# KiCad board bldc_controller.kicad_pcb (continued)
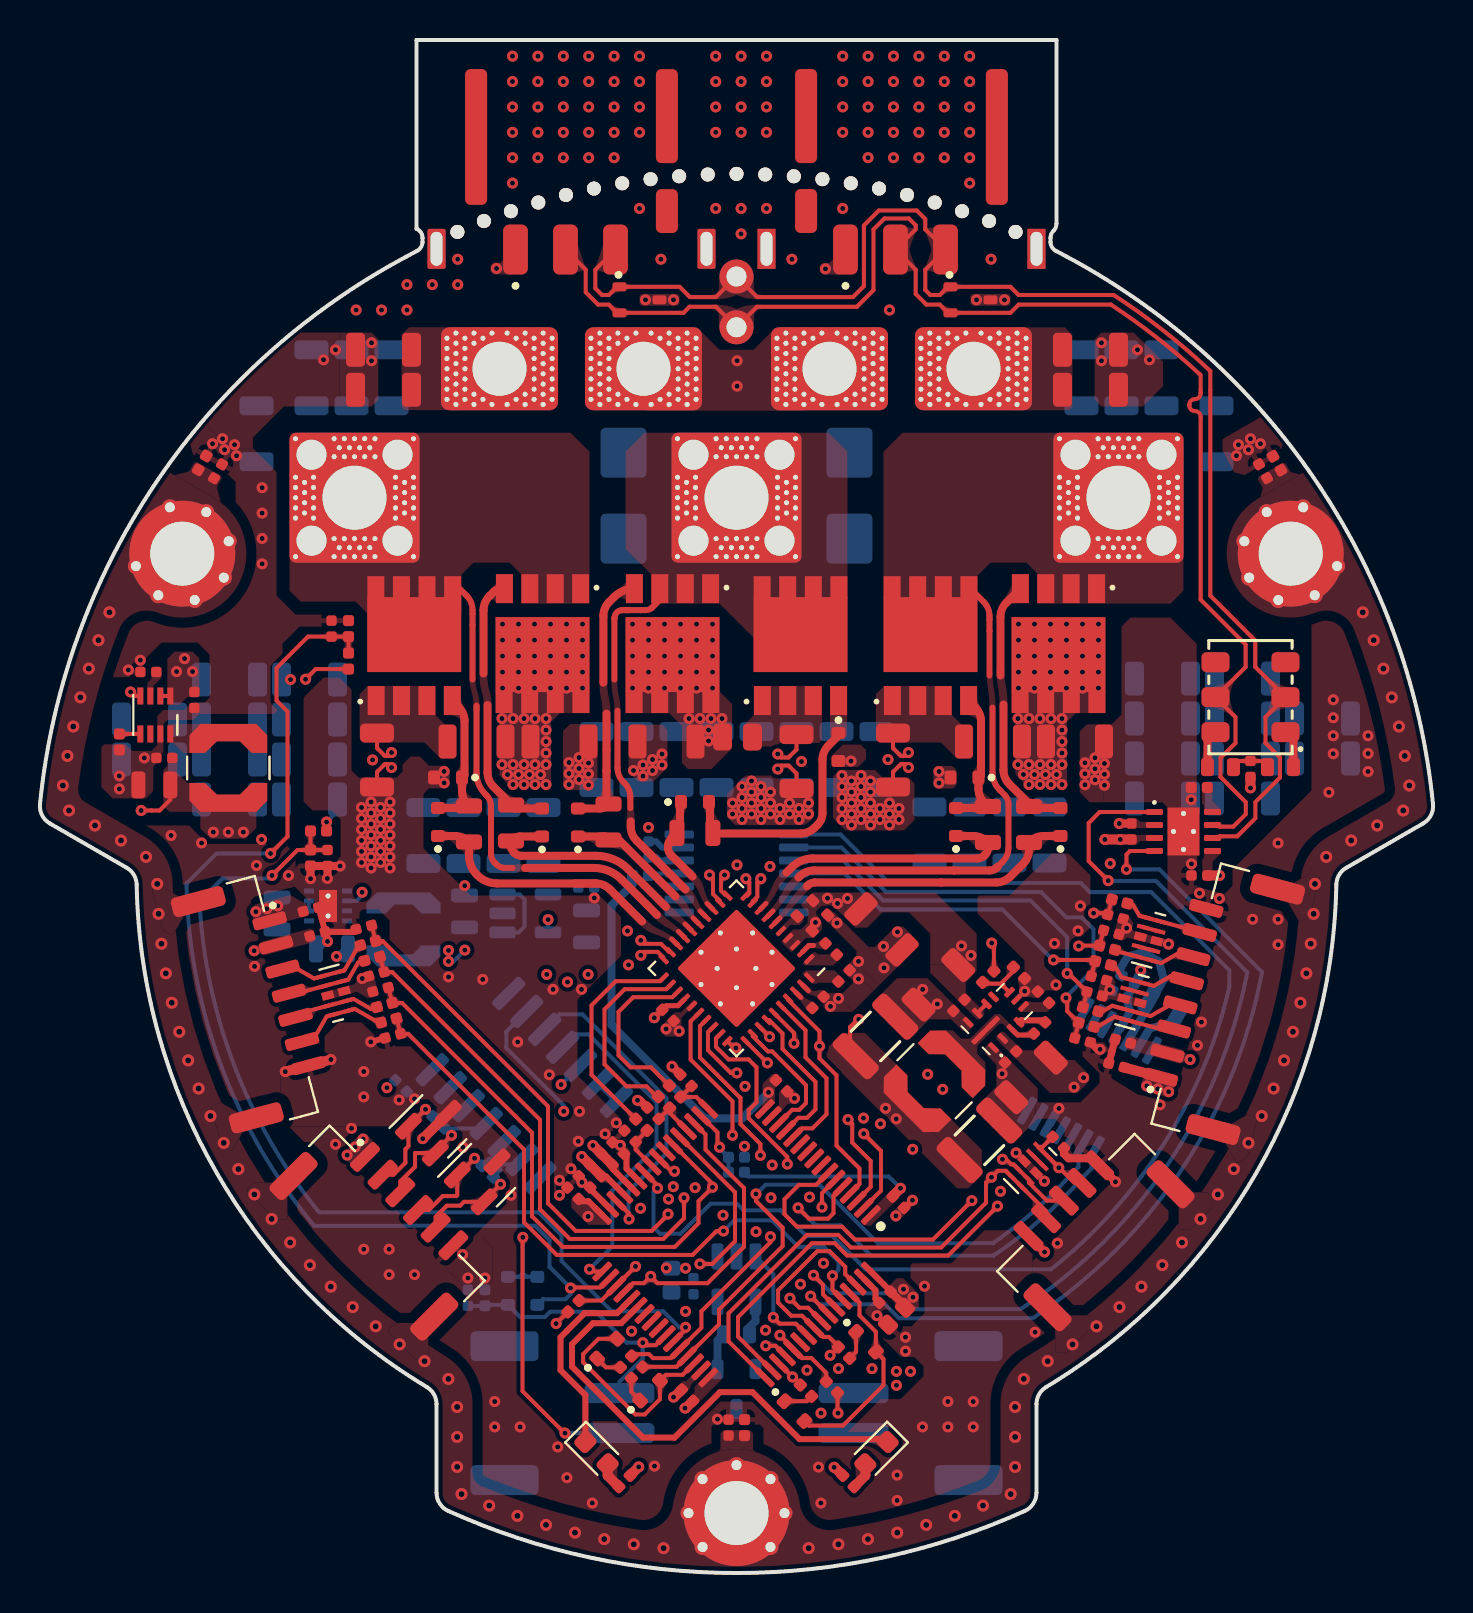
[diagram p0: board, top side]
## Routing (per net, layer and track width the routed paths; a pad name or vN(x,y) marks a point on that pad's centre or on a via; arc(x,y) is an arc through that point) (continued)
/Project Architecture/Motor Control - Top Level/DVDD: length 0.4
  Top w0.25: 37.79,29.06 38.05,28.8
GND: length 35
  Top w0.2: NT12.2 16.85,40.08 R17.1 ; R11.1 42.65,40.08 NT6.2 ; R14.1 37.83,40 NT9.2 ; 14.57,47.66 C94.2 ; U8.25 32.6,28.37
  Top w0.25: 38.14,29.41 38.42,29.13
  Top w0.3: C10.2 27.51,19.22 28.52,18.21 ; C7.2 43.25,18.27 v1(43.63,18.65) ; C108.2 14.42,31.49 ; C108.2 C106.2 ; C108.2 15.68,32.07 C116.2 ; U1.63 41.78,14.15 41.78,13.71 C9.2 ; 29.93,19.63 29.33,20.23 29.33,20.85 29.2,20.98 ; C110.2 16.54,26.58 v1(16.54,26.57)
  Top w0.35: C107.2 53.76,26.71 53.6,26.08 53.6,26.08 53.44,25.5 ; v1(53.01,26.2) 52.87,26.2 C117.2
  Top w0.4: 53.45,25.49 C105.2 ; C12.2 30,23.65 v1(29.88,23.65) ; v1(15.01,35.37) 15,35.38 C96.2 ; C96.2 14.38,34.76 v1(14.37,34.75) ; C96.2 R25.2 v1(13.53,34.74) ; v1(53.97,37.5) C102.2 ; v1(31.6,25.35) C11.2 ; C118.2 51.2,20.98 51.43,20.75 52.61,20.75 J13.5 53.78,19.59 v1(53.78,19.58)
  Top w0.5: v1(14.55,25.69) 13.43,25.39 J7.7 13.41,25.39 v1(12.26,25.09) ; D25.3 19.14,21.73 v1(19.14,21.73) ; C119.2 v1(60.53,39.28) ; v1(31.68,8.8) 31.71,8.8 C6.2
  Bottom w0.2: R19.2 v1(35.23,21.35)
  Bottom w0.3: U9.13 31.11,36.3 30.81,36.6 C97.2 ; U11.6 U11.7
  Bottom w0.4: v1(50.95,23.25) 50.52,22.49 U10.5 ; 55.04,26.48 55.48,27.24 56.63,27.55 ; 56.72,27.64 C99.2
  Bottom w0.5: C78.2 14.18,31.6 v1(14.38,31.6)
  vias: v1(3.97,39.88) v1(3.97,39.23) v1(4.42,45.18) v1(5.02,45.67) v1(5.22,40.78) v1(6.55,36.9) v1(8.08,36.53) v1(8.63,56.5) v1(9.13,56.75) v1(9.23,56.2) v1(9.73,56.45) v1(9.83,55.9) v1(10.73,30.35) v1(10.83,35.4) v1(11.11,54.3) v1(11.11,53.03) v1(11.11,51.76) v1(11.11,50.49) v1(11.08,36.7) v1(12.43,34.9) v1(12.53,44.7) v1(14.18,60.7) v1(14.78,61.2) v1(14.78,21.45) v1(15.58,22.25) v1(15.81,63.19) v1(16.08,38.3) v1(16.08,37.75) v1(16.08,37.2) v1(16.08,36.65) v1(16.08,36.1) v1(16.08,35.55) v1(16.11,29.75) v1(16.19,25.09) v1(16.19,23.82) v1(16.19,16.2) v1(16.55,38.58) v1(16.55,38.03) v1(16.55,37.48) v1(16.55,36.93) v1(16.55,36.38) v1(16.55,35.83) v1(16.55,35.28) v1(16.58,61.55) v1(16.58,60.65) v1(16.63,40.68) v1(17.03,38.3) v1(17.03,37.75) v1(17.03,37.2) v1(17.03,36.65) v1(17.03,36.1) v1(17.03,35.55) v1(17.08,63.19) v1(17.46,16.2) v1(17.46,14.93) v1(17.5,38.58) v1(17.5,38.03) v1(17.5,37.48) v1(17.5,36.93) v1(17.5,36.38) v1(17.5,35.83) v1(17.5,35.28) v1(17.96,23.67) v1(18.35,64.46) v1(18.35,63.19) v1(18.73,23.73) v1(18.73,14.93) v1(19.62,64.46) v1(20.21,40.11) v1(20.21,39.53) v1(20.43,29.83) v1(20.89,65.73) v1(20.89,64.46) v1(21.15,21.3) v1(21.13,15.93) v1(21.24,34.39) v1(21.4,14.76) v1(22.14,29.7) v1(22.25,14.76) v1(22.74,8.58) v1(22.74,7.31) v1(22.83,65.27) v1(23.55,18.9) v1(23.63,75.89) v1(23.63,74.62) v1(23.63,73.35) v1(23.63,72.08) v1(23.63,70.81) v1(23.63,69.54) v1(23.89,26.57) v1(24.01,7.31) v1(24.9,75.89) v1(24.9,74.62) v1(24.9,73.35) v1(24.9,72.08) v1(24.9,70.81) v1(25.47,24.93) v1(25.65,29.2) v1(25.89,6.31) v1(25.98,19.65) v1(25.98,18.9) v1(26.17,75.89) v1(26.17,74.62) v1(26.17,73.35) v1(26.17,72.08) v1(26.17,70.81) v1(26.35,4.77) v1(26.45,40.55) v1(26.45,40) v1(26.45,39.45) v1(26.55,20.23) v1(26.95,40.8) v1(26.95,40.25) v1(26.95,39.7) v1(26.92,21.6) v1(26.98,23.1) v1(27.08,29.2) v1(27.1,19.55) v1(27.44,75.89) v1(27.44,74.62) v1(27.44,73.35) v1(27.44,72.08) v1(27.44,70.81) v1(27.43,40.53) v1(27.43,39.98) v1(27.43,39.43) v1(27.62,3.5) v1(27.72,33.78) v1(28.26,21.97) v1(28.71,75.89) v1(28.71,74.62) v1(28.71,73.35) v1(28.71,72.08) v1(28.71,70.81) v1(28.82,22.52) v1(29.02,21.4) v1(29.38,32.13) v1(29.43,30.43) v1(29.58,12.1) v1(29.68,40.15) v1(29.98,75.89) v1(29.98,74.62) v1(29.98,73.35) v1(29.98,72.08) v1(29.98,68.27) v1(30.03,18.25) v1(30.15,40.43) v1(30.15,39.88) v1(30.28,63.7) v1(30.43,37.3) v1(30.63,40.7) v1(30.63,40.15) v1(30.73,5.35) v1(31.05,65.73) v1(31.1,40.98) v1(31.1,40.43) v1(31.31,27.22) v1(31.32,15.26) v1(31.43,18.71) v1(31.67,19.33) v1(31.68,63.7) v1(31.96,27.11) v1(32.28,15.25) v1(32.76,19.28) v1(33.79,75.89) v1(33.79,74.62) v1(33.79,73.35) v1(33.79,72.08) v1(33.79,68.27) v1(33.88,7.7) v1(34.15,17.9) v1(34.63,38.53) v1(34.63,37.98) v1(34.86,60.65) v1(34.86,59.38) v1(34.85,35.43) v1(35.06,75.89) v1(35.06,74.62) v1(35.06,73.35) v1(35.06,72.08) v1(35.06,68.27) v1(35.06,67) v1(35.1,39.35) v1(35.1,38.8) v1(35.1,38.25) v1(35.1,37.7) v1(35.25,24.35) v1(35.58,39.63) v1(35.58,39.08) v1(35.58,38.53) v1(35.58,37.98) v1(35.8,17.08) v1(36.05,39.35) v1(36.05,38.8) v1(36.05,38.25) v1(36.05,37.7) v1(36.28,12.15) v1(36.33,75.89) v1(36.33,74.62) v1(36.33,73.35) v1(36.33,72.08) v1(36.33,68.27) v1(36.53,39.08) v1(36.53,38.53) v1(36.53,37.98) v1(36.5,35.35) v1(36.55,18.78) v1(36.61,20.41) v1(37,38.25) v1(37,37.7) v1(37.48,38.53) v1(37.48,37.98) v1(37.6,65.73) v1(37.73,23.75) v1(37.95,38.25) v1(37.95,37.7) v1(38.03,14.45) v1(38.08,40.6) v1(38.35,10.15) v1(38.43,38.53) v1(38.43,37.98) v1(38.48,18.81) v1(38.93,5.3) v1(39.05,8) v1(39.05,3.5) v1(39.18,15.5) v1(39.28,65.25) v1(39.53,28.35) v1(39.85,32.53) v1(39.93,28.75) v1(39.93,10.23) v1(40.14,75.89) v1(40.14,74.62) v1(40.14,73.35) v1(40.14,72.08) v1(40.14,68.27) v1(40.1,39.9) v1(40.1,39.35) v1(40.1,38.8) v1(40.1,38.25) v1(40.1,37.7) v1(40.55,40.63) v1(40.58,39.63) v1(40.58,39.08) v1(40.58,38.53) v1(40.58,37.98) v1(40.58,37.43) v1(40.93,30.6) v1(40.93,29.73) v1(41.05,39.9) v1(41.05,39.35) v1(41.05,38.8) v1(41.05,38.25) v1(41.05,37.7) v1(41.18,22.76) v1(41.41,75.89) v1(41.41,74.62) v1(41.41,73.35) v1(41.41,72.08) v1(41.41,70.81) v1(41.53,39.63) v1(41.53,39.08) v1(41.53,38.53) v1(41.53,37.98) v1(41.53,37.43) v1(41.6,10.23) v1(41.85,12.88) v1(42,38.25) v1(42,37.7) v1(42.03,22.48) v1(42.18,31.35) v1(42.2,30.28) v1(42.4,40.7) v1(42.48,63.19) v1(42.48,38.53) v1(42.48,37.98) v1(42.48,37.43) v1(42.68,75.89) v1(42.68,74.62) v1(42.68,73.35) v1(42.68,72.08) v1(42.68,70.81) v1(42.88,32.08) v1(42.8,17.87) v1(42.86,4.9) v1(42.86,3.63) v1(42.95,38.25) v1(42.95,37.7) v1(43.28,11.8) v1(43.28,11.1) v1(43.64,21.2) v1(43.95,75.89) v1(43.95,74.62) v1(43.95,73.35) v1(43.95,72.08) v1(43.95,70.81) v1(44.14,29.2) v1(44.13,7.31) v1(44.23,14.35) v1(44.39,24.95) v1(44.87,28.47) v1(44.95,40.1) v1(44.95,39.52) v1(45.14,24.2) v1(45.22,75.89) v1(45.22,74.62) v1(45.22,73.35) v1(45.22,72.08) v1(45.22,70.81) v1(45.4,8.58) v1(45.4,7.31) v1(46.49,75.89) v1(46.49,74.62) v1(46.49,73.35) v1(46.49,72.08) v1(46.49,70.81) v1(46.49,69.54) v1(46.67,8.58) v1(46.67,7.31) v1(46.83,63.7) v1(47.56,65.73) v1(48.03,19.1) v1(48.11,24.98) v1(48.23,63.7) v1(48.81,21.02) v1(49.24,29.11) v1(49.76,12.05) v1(50.22,19.61) v1(50.73,31.5) v1(50.8,29.43) v1(50.88,16.5) v1(51.91,32.13) v1(52.02,33.37) v1(52.25,40.54) v1(52.25,39.99) v1(52.25,39.44) v1(52.75,40.79) v1(52.75,40.24) v1(52.75,39.69) v1(53.08,61.55) v1(53.08,60.65) v1(53.23,40.5) v1(53.23,39.96) v1(53.23,39.41) v1(53.52,35.5) v1(53.49,29.19) v1(54.33,32.27) v1(54.88,61.2) v1(55.48,60.7) v1(56,23.43) v1(56.43,31.47) v1(57.57,38.69) v1(57.58,35.48) v1(57.88,26.4) v1(57.98,34.01) v1(58.08,27.57) v1(58.97,33.75) v1(59.83,55.9) v1(59.93,56.45) v1(60.43,56.2) v1(60.53,56.75) v1(60.64,32.71) v1(61.03,56.5) v1(61.91,36.52) v1(61.91,32.71) v1(61.91,31.44) v1(64.45,39.06) v1(64.67,43.69) v1(64.67,42.79) v1(64.67,41.89) v1(64.67,40.99) v1(66.41,41.89) v1(66.41,41) v1(66.41,40.1)
/Project Architecture/Interface - Fan Control/FAN_GATE: length 1.9
  Bottom w0.4: Q7.1 33.88,11.64 R29.2
/Project Architecture/Interface - Fan Control/FAN_OUT: length 1.7
  Bottom w0.4: R29.1 35.48,12.3 35.78,12.6 U13.4
/Project Architecture/Interface - FD-CAN/FDCAN_N: length 72.7
  Top w0.2: 58.52,59.2 58.52,60.14 58.47,60.19 arc(56.16,62.17) 53.69,63.94 ; 32.39,63.94 31.98,64.35 D23.1 28.85,64.35 28.44,63.94 28.11,63.94 27.77,64.28 27.77,65.21 J12.3 28.78,65.59 ; SW1.2 61.28,42.82 61.28,41.52 62,40.8 62,39.8 60.77,38.57 60.77,37.76 60.22,37.21 ; 53.69,63.94 48.94,63.94 48.53,64.35 D22.1 45.4,64.35 44.99,63.94 44.52,63.94 44.27,64.19 44.27,65.21 J11.3 44.27,67.23 44.27,67.74 43.84,68.17 41.95,68.17 41.2,67.42 41.2,64.48
  Top w0.203: 32.39,63.94 32.5,63.84 33.8,63.84 J14.2 35.86,63.84 40.65,63.84 41.2,64.38 41.2,64.48 ; 60.22,37.21 59.87,36.86 58.99,36.86 58.9,36.78 U12.6 ; SW1.2 60.77,45.33 60.77,46.65 58.52,48.9 58.52,59.2
/Project Architecture/Interface - FD-CAN/FDCAN_P: length 72.5
  Top w0.2: 26.28,65.59 J12.2 27.29,65.21 27.29,64.08 27.91,63.46 28.44,63.46 28.85,63.05 D23.2 31.98,63.05 ; 58.04,59.2 58.04,59.93 57.99,59.98 arc(55.84,61.81) 53.55,63.46 ; 41.19,63.69 41.68,64.18 41.68,67.22 42.23,67.77 43.45,67.77 43.79,67.43 43.79,67.23 J11.2 43.79,65.21 43.79,63.99 44.32,63.46 44.99,63.46 45.4,63.05 D22.2 48.53,63.05 48.94,63.46 53.54,63.46 53.54,63.46 ; SW1.5 59.78,42.82 59.78,41.52 59.03,40.77 59.03,39.84 60.29,38.57 60.29,37.97 59.88,37.55
  Top w0.203: 41.19,63.69 40.85,63.35 35.86,63.35 J14.1 33.8,63.35 32.48,63.35 32.18,63.05 31.98,63.05 ; 59.88,37.55 59.67,37.34 58.99,37.34 58.9,37.43 58.63,37.43 ; SW1.5 60.29,45.33 60.29,46.45 58.04,48.7 58.04,57.85 arc(57.95,58.05) 57.75,58.13 arc(57.55,58.22) 57.47,58.41 57.47,58.45 arc(57.55,58.65) 57.75,58.73 arc(57.95,58.82) 58.04,59.01 58.04,59.2
/Project Architecture/Interface - FD-CAN/FDCAN_RX: length 45.2
  Top w0.2: v1(54.33,35.2) 54.33,35.95 54.5,36.13 55.73,36.13 ; v1(38.53,13.86) 39.37,13.02
  Bottom w0.2: v1(54.33,35.2) 55.97,35.2 61.1,30.08 61.1,30.04 arc(57.12,20.24) 49.65,12.75 42.95,12.75 42.25,13.45 38.94,13.45 v1(38.53,13.86)
/Project Architecture/Interface - FD-CAN/FDCAN_TX: length 49.7
  Top w0.2: 39.72,13.37 39.15,13.94 39.15,14.43 v1(38.68,14.9) ; U12.1 52.99,38.08 52.44,37.52 52.44,35.62 v1(53.42,34.64)
  Bottom w0.2: 41.64,14 41.78,14 ; 41.64,14 39.58,14 v1(38.68,14.9) ; 41.64,14 42.49,14 43.29,13.2 49.03,13.2 arc(56.41,20.47) 60.37,30.03 60.37,30.06 55.8,34.63 53.43,34.63 v1(53.42,34.64)
/Project Architecture/Interface - Interconnects/AUX1_A: length 72.1
  Top w0.2: U1.19 33.28,21.94 33.28,21.19 35.2,19.26 35.2,16.33 33.38,14.5 30.88,14.5 v1(30.54,14.84) 30.19,14.5 29.65,14.5 U1.36 ; v1(51.3,28.78) 51.37,28.71 51.37,28.11 R30.2 ; R30.2 51.93,27.53 ; R30.2 51.74,26.77
  In3.Cu w0.2: v1(51.3,28.78) 50.89,28.36 50.89,25.65 45.13,19.89 45.13,18.15 36.93,9.96 35.68,9.96 33.94,11.7 33.94,14.22 33.49,14.67 30.71,14.67 v1(30.54,14.84)
  Bottom w0.2: U9.2 40.08,36.3 42.3,34.08 50.05,34.08 51.33,32.8 52.09,32.8 52.68,32.21 52.68,30.2 51.3,28.83 v1(51.3,28.78)
/Project Architecture/Interface - Interconnects/AUX1_B: length 49.3
  Top w0.2: 39.02,12.66 38.41,13.27 37.97,13.27 v1(37.5,13.75) ; v1(51.36,30) 51.43,30 C115.1 ; 52.35,29.09 C115.1 ; C115.1 R31.2
  In3.Cu w0.2: v1(37.5,13.75) 37.97,13.28 39.07,13.28 44.25,18.46 44.25,20.15 49.83,25.72 49.83,31.41 50.49,32.08 51.03,32.08 51.36,31.74 v1(51.36,30)
  Bottom w0.2: U9.3 40.16,35.65 42.16,33.65 49.53,33.65 51.36,31.81 v1(51.36,30)
/Project Architecture/Interface - Interconnects/AUX1_C: length 59.9
  Top w0.2: v1(50.68,30.68) 52.72,30.68 R32.2 52.77,30.62 C113.1 ; U1.21 34.75,19.05 34.75,16.6 33.62,15.46 v1(33,15.46)
  In3.Cu w0.2: v1(50.68,30.68) 50.23,30.23 50.23,25.56 44.65,19.98 44.65,18.28 36.77,10.39 35.82,10.39 34.42,11.79 34.42,14.61 33.9,15.13 33.34,15.13 v1(33,15.46) 32.98,15.45
  Bottom w0.2: U9.4 40.23,35 42.03,33.2 48.13,33.2 50.65,30.68 v1(50.68,30.68)
/Project Architecture/Interface - Interconnects/AUX1_D: length 70.9
  Top w0.2: U1.51 v1(37.63,9.81) 38.02,9.42 R39.2 ; C111.1 R33.2 51.95,31.39 v1(51.94,31.37)
  In3.Cu w0.2: v1(51.94,31.37) 51.94,26.89 51.29,26.24 51.29,25.49 45.55,19.75 45.55,17.99 38.93,11.37 38.93,9.72 38.69,9.48 37.96,9.48 v1(37.63,9.81) 37.38,9.56 35.52,9.56 33.54,11.54 33.54,13.89 33.16,14.27 30.03,14.27 28.86,15.45 28.86,17.91 27.84,18.93 26.96,18.93 25.94,17.91 25.94,16.87 24.97,15.9 23.42,15.9 22.45,16.87 22.45,19.96 25.59,23.1 v1(26.19,23.1)
  Bottom w0.2: U11.2 23.31,27.08 23.31,26.27 26.19,23.4 v1(26.19,23.1)
/Project Architecture/Interface - Interconnects/AUX1_D_K: length 1.5
  Top w0.2: D17.1 38.34,8.59 R39.1
/Project Architecture/Interface - Interconnects/AUX1_E: length 78.6
  Top w0.2: v1(39.51,10.89) 39.92,11.3 R41.2 39.92,11.34 39.45,11.81 39.16,11.81 U1.56 38.1,12.87 37.56,12.87 36.91,13.53 36.91,14.14 38.86,16.1 39.49,16.1 40.27,15.32 40.27,14.95 40.79,14.43 ; v1(52.68,33.02) 53.31,33.02 C109.1 R34.2
  In3.Cu w0.2: v1(26.06,24.44) 26.06,24.27 21.92,20.13 21.92,16.83 23.25,15.5 25.13,15.5 26.43,16.8 26.43,17.84 27.12,18.53 27.67,18.53 28.45,17.75 28.45,15.26 29.84,13.87 32.65,13.87 33.14,13.38 33.14,11.37 35.42,9.09 37.78,9.09 37.79,9.08 38.86,9.08 39.35,9.58 39.35,10.74 v1(39.51,10.89) 39.51,11.38 45.95,17.83 45.95,19.59 51.69,25.32 51.69,26.07 51.79,26.18 51.79,26.18 52.13,26.52 52.14,26.52 52.59,26.98 52.59,32.93 v1(52.68,33.02)
  Bottom w0.2: U11.5 27.02,25.4 v1(26.06,24.44)
/Project Architecture/Interface - Interconnects/AUX1_E_K: length 1.6
  Top w0.2: D19.1 40.81,11.06 R41.1 40.49,10.59
/Project Architecture/Interface - Interconnects/AUX1_I2C_PULLUP: length 10.3
  Top w0.2: 40.43,14.08 40.98,13.53 40.98,12.89 41.8,12.07 D19.2 42.18,10.7 42.18,9.4 40.15,7.38 38.45,7.38 D17.2
/Project Architecture/Interface - Interconnects/AUX1P_A: length 5.1
  Top w0.2: 53.94,27.78 53.74,27.83 52.82,27.3 R30.1 ; 53.94,27.78 54.76,27.56 ; 53.94,27.78 56.48,27.09 J6.3
/Project Architecture/Interface - Interconnects/AUX1P_B: length 4.4
  Top w0.2: R31.1 53.07,28.06 53.62,28.38 53.62,28.38 D16.4 D16.7 55.53,27.86 56.67,28.52 J6.4
/Project Architecture/Interface - Interconnects/AUX1P_C: length 4.3
  Top w0.2: R32.1 53.75,30.36 54.07,29.81 55.69,29.38 56.52,29.85 J6.5
/Project Architecture/Interface - Interconnects/AUX1P_D: length 4.2
  Top w0.2: R33.1 53.78,31.13 56.07,30.52 56.96,31.03 J6.6
/Project Architecture/Interface - Interconnects/AUX1P_E: length 4.1
  Top w0.2: J6.7 57.97,32.08 54.98,32.88 54.67,33.42 R34.1
/Project Architecture/Interface - Interconnects/AUX2_A: length 35.7
  Top w0.2: v1(31.41,17.96) 31.41,17.93 30.59,17.11 26.79,17.11 25.4,18.5 25.4,23.35 17.14,31.61 R35.2 C116.1 ; 39.72,19.63 39.1,19.01 v1(39.1,18.3)
  In3.Cu w0.2: v1(39.1,18.3) 38.86,18.3 36.53,15.98 33.93,15.98 31.94,17.96 v1(31.41,17.96)
/Project Architecture/Interface - Interconnects/AUX2_B: length 65.6
  Top w0.2: v1(36.53,16.83) 36.53,16.55 33.07,13.09 33.07,12.27 32,11.2 U1.44 31.55,10.75 30.65,10.75 30.45,10.95 29.68,10.95 R40.2 ; R36.2 C114.1 17.61,30.07 25,22.68 25,18.2 26.49,16.71 31.17,16.71 32.2,17.75 v1(32.2,18.78) ; 40.08,19.28 39.68,18.88 39.68,18 39.41,17.73 38.45,17.73 v1(37.91,18.27)
  In3.Cu w0.2: v1(32.2,18.78) 32.2,18.27 34.02,16.45 36.15,16.45 v1(36.53,16.83) 36.53,16.85 37.91,18.23 v1(37.91,18.27)
  Bottom w0.2: 52.84,21.13 52.84,21.3 52.59,21.04 52.59,20.25 52.16,19.82 arc(50.04,17.7) 47.68,15.88 41.55,15.88 40.03,17.4 38.78,17.4 v1(37.91,18.27)
/Project Architecture/Interface - Interconnects/AUX2_B_K: length 1.3
  Top w0.2: R40.1 28.3,10.29 D18.1
/Project Architecture/Interface - Interconnects/AUX2_C: length 64.9
  Top w0.2: U1.45 31.83,10.32 30.15,10.32 R42.2 ; C112.1 R37.2 18.11,28.52 24.6,22.03 24.6,17.85 26.14,16.31 31.74,16.31 32.93,17.5 32.93,18.6 v1(33.63,19.3) 33.63,19.47 31.7,21.4 ; 32.41,10.9 33.95,12.44 33.95,13.18 37.14,16.36 37.14,17.28 35.8,18.61 v1(35.8,18.96)
  In3.Cu w0.2: v1(35.8,18.96) 33.96,18.96 v1(33.63,19.3)
  Bottom w0.2: v1(35.8,18.96) 35.82,18.96 36.28,19.43 38.98,19.43 41.9,16.5 47.65,16.5 47.65,16.5 48.05,16.78 48.82,17.37 49.57,17.99 50.29,18.64 50.98,19.32 51.64,20.03 51.93,20.32 51.93,21.26 U10.2 ; 51.91,21.16 52.01,21.27
/Project Architecture/Interface - Interconnects/AUX2_C_K: length 1.3
  Top w0.2: R42.1 29.57,9.07 D20.1
/Project Architecture/Interface - Interconnects/AUX2_D: length 33.1
  Top w0.2: v1(39.63,14.87) 39.63,14.17 40.08,13.72 ; v1(34.18,17.11) 33.83,17.11 32.63,15.91 25.84,15.91 24.2,17.55 24.2,21.19 18.41,26.98 C110.1 R38.2
  Bottom w0.2: v1(39.63,14.87) 39.93,15.17 39.93,15.58 39.19,16.31 37.93,16.31 36.59,17.65 34.72,17.65 v1(34.18,17.11)
/Project Architecture/Interface - Interconnects/AUX2_I2C_PULLUP: length 10.7
  Top w0.2: D18.2 27.93,11.72 27.16,10.95 27.16,10.54 29.77,7.93 30.24,7.93 31,8.69 D20.2 31.3,9.92 32.13,9.92 32.76,10.54
/Project Architecture/Interface - Interconnects/AUX2P_A: length 4.9
  Top w0.2: 14.79,30.04 D15.6 13.7,29.75 12.62,30.37 12.14,30.24 ; 16,31.4 R35.1 15.93,31.38 15.22,30.16 D15.5 15.14,30.14
/Project Architecture/Interface - Interconnects/AUX2P_B: length 4.4
  Top w0.2: R36.1 15.91,30.55 15.42,29.69 D15.4 D15.7 12.62,28.94 12.46,29.03
/Project Architecture/Interface - Interconnects/AUX2P_C: length 4.4
  Top w0.2: 12.79,27.82 12.88,27.97 D15.9 D15.2 15.68,28.72 16.53,28.23 R37.1
/Project Architecture/Interface - Interconnects/AUX2P_D: length 5
  Top w0.2: D15.1 D15.10 14.33,27.85 13.72,26.78 13.11,26.61 ; D15.1 15.74,28.22 16.97,27.52 R38.1 ; D15.1 15.64,28.2 ; 17.01,27.53 17.06,27.54
/Project Architecture/Interface - Interconnects/CAN_TERM_B: length 1.9
  Top w0.4: SW1.4 58.38,41.67 R44.2
/Project Architecture/Interface - Interconnects/CAN_TERM_MID: length 2
  Top w0.2: R44.1 59.99,40.63 C119.1 61.07,40.63 R43.2
/Project Architecture/Interface - Interconnects/CAN_TERM_T: length 1.9
  Top w0.4: SW1.1 62.68,41.67 R43.1
/Project Architecture/Interface - Interconnects/NRST: length 25.3
  Top w0.2: D24.1 D24.10 51.73,19.52 ; D24.1 50.13,21.32 C118.1 ; D24.1 49.92,21.3 v1(50.95,20.28) ; U1.7 38.81,19.42 37.95,19.42 37.23,18.7 37.23,17.95 37.85,17.33 40.1,17.33 40.74,16.69 44.65,16.69 v1(46.6,18.63)
  In2.Cu w0.2: v1(50.95,20.28) 50.95,19.52 49.21,17.78 47.45,17.78 v1(46.6,18.63)
/Project Architecture/Interface - Interconnects/NTC_MOT_H: length 2
  Bottom w0.2: NT13.2 J8.1
/Project Architecture/Interface - Interconnects/NTC_MOT_L: length 2.2
  Bottom w0.2: NT14.2 28.98,9.57 J8.2
/Project Architecture/Interface - Interconnects/POS_SENSOR_CS: length 67.6
  Top w0.2: U1.26 30.88,19.39 v1(30.88,19.25)
  Bottom w0.2: U9.1 40.03,36.95 42.45,34.53 52.03,34.53 52.49,34.07 55.56,34.07 59.47,30.16 59.47,29.32 59.36,28.83 59.09,27.86 58.79,26.91 58.45,25.97 58.08,25.04 57.66,24.13 57.21,23.23 56.73,22.35 56.21,21.49 55.66,20.66 55.08,19.84 54.46,19.05 53.81,18.29 53.14,17.55 52.43,16.84 51.7,16.16 50.94,15.5 50.55,15.19 41.29,15.19 39.62,16.86 38.32,16.86 37.03,18.15 35.18,18.15 34.85,18.48 33.53,18.48 32.03,16.98 31,16.98 30.68,17.3 30.68,19.05 v1(30.88,19.25) 30.83,19.2
/Project Architecture/Interface - Interconnects/RS422_D+: length 7
  Top w0.2: v1(23.03,19.45) 22.21,18.63 D21.2 21.2,18.57 21.01,18.38 20.34,18.38 20.29,18.33 ; 23.09,19.39 23.02,19.39
  Top w0.203: J9.5 19.78,17.82 20.29,18.33
  Bottom w0.2: v1(23.03,19.45) R46.2 23.02,20.16 23.02,20.39 23.08,20.45 23.87,20.45 U11.9
/Project Architecture/Interface - Interconnects/RS422_D-: length 6.9
  Top w0.2: v1(21.73,20.75) 20.89,19.92 D21.1 20.86,18.91 20.81,18.86 20.14,18.86 19.95,18.67 ; 21.68,20.73 21.68,20.8
  Top w0.203: 19.95,18.67 19.44,18.16 J9.4
  Bottom w0.2: v1(21.73,20.75) R46.1 22.45,20.73 22.68,20.73 23.21,21.26 U11.10
/Project Architecture/Interface - Interconnects/RS422_R+: length 7
  Top w0.203: v1(19.28,23.2) 18.43,22.36 D25.1 18.42,21.35 18.27,21.2 18.27,20.53 17.67,19.93 J9.2
  Bottom w0.2: U11.12 20.93,22.9 19.71,22.9 R45.1 v1(19.28,23.2)
/Project Architecture/Interface - Interconnects/RS422_R-: length 7.2
  Top w0.203: v1(20.58,21.9) 19.77,21.09 D25.2 18.77,21.01 18.75,21 18.75,20.33 18.02,19.59 J9.3
  Bottom w0.2: v1(20.58,21.9) R45.2 20.23,22.24 22.07,22.24 U11.11
/Project Architecture/Interface - Interconnects/SWCLK: length 26.3
  Top w0.2: 36.54,10.19 34.9,11.83 34.9,12.81 38.6,16.5 39.74,16.5 40.36,15.89 45.41,15.89 47.88,18.35 v1(47.88,18.35) ; J13.3 50.35,18.63 49.46,19.52 D24.7 D24.4 48.68,20.44 48.57,20.44 48.31,20.7 v1(48.13,20.7)
  In2.Cu w0.2: v1(48.13,20.7) 48.73,20.1 48.73,18.94 48.03,18.24 48,18.24 v1(47.88,18.35)
/Project Architecture/Interface - Interconnects/SWDIO: length 25
  Top w0.2: J13.2 50.31,18.1 D24.6 D24.5 48.29,20.13 47.9,20.13 v1(47.58,19.8) 47.3,19.53 47.3,18.53 45.06,16.29 40.54,16.29 39.91,16.92 38.36,16.92 34.43,12.99 34.43,11.6 36.19,9.84
/Project Architecture/Interface - RS-422/RS422_DE: length 16.8
  Top w0.2: U1.33 27.59,15.09 v1(27.48,15.2)
  Bottom w0.2: U11.4 26.78,26.95 27.43,26.95 30.83,23.55 30.83,21.35 28.62,19.14 28.62,16.34 v1(27.48,15.2)
/Project Architecture/Interface - RS-422/RS422_~{RE}: length 16.2
  Top w0.2: v1(29.46,17.71) 29.46,17.98 U1.30
  Bottom w0.2: 29.46,17.78 29.46,17.71 v1(29.46,17.71) 29.43,17.74 29.43,19.1 31.33,21 31.33,23.75 27.13,27.95 25.98,27.95 U11.3
/Project Architecture/MCU - IO/BOARD_VERSION: length 3.4
  Top w0.2: v1(33.98,21.3) 33.88,21.4 33.88,22.05 U1.18
  Bottom w0.2: v1(33.98,21.3) 33.98,21.25 R19.1 R18.2
/Project Architecture/MCU - IO/DRV_CS: length 9.1
  Top w0.2: v1(34.8,26.27) 34.71,26.27 U8.30 ; v1(31.73,20.1) 31.58,20.1 U1.24
  In3.Cu w0.2: v1(31.73,20.1) 33.8,22.18 33.8,25.28 v1(34.8,26.27)
/Project Architecture/MCU - IO/DRV_MISO: length 30.2
  Top w0.2: U8.27 33,27.36 33,25.79 35.01,23.78 35.03,23.78 35.03,22.46 36.02,21.47 v1(36.02,20.89) ; v1(37,11.9) 37.66,11.24 U1.53 38.1,10.75 38.58,10.75 39.32,10.01 R8.2
  In3.Cu w0.2: v1(37,11.9) 37,11.26 36.53,10.79 35.98,10.79 35,11.78 35,12.92 38.66,16.57 39.56,16.57 40.45,17.46 40.45,18.44 39.06,19.83 36.39,19.83 36.02,20.19 v1(36.02,20.89)
/Project Architecture/MCU - IO/DRV_MOSI: length 15.2
  Top w0.2: v1(34.85,25.02) 34.54,25.02 33.4,26.16 33.4,27.06 U8.28 ; v1(41.19,21.98) 42.05,21.12 42.05,19.13 U1.2
  In3.Cu w0.2: v1(34.85,25.02) 34.93,24.94 37.35,24.94 38.3,23.99 38.3,23.98 40.3,21.98 v1(41.19,21.98)
/Project Architecture/MCU - IO/DRV_SCLK: length 25.1
  Top w0.2: v1(36.29,11.37) 36.78,11.37 U1.52 ; v1(37.37,20.46) 37.37,20.82 35.44,22.74 35.44,23.16 35.83,23.55 35.83,25.3 35.43,25.7 34.43,25.7 33.8,26.33 33.8,26.75 U8.29
  In3.Cu w0.2: v1(36.29,11.37) 36.08,11.58 35.93,11.58 35.48,12.03 35.48,12.83 38.78,16.13 39.86,16.13 40.93,17.2 40.93,18.6 39.07,20.46 v1(37.37,20.46)
/Project Architecture/MCU - IO/FAN_CTRL: length 5.4
  Top w0.2: 38.31,11.96 37.79,12.47 36.98,12.47 v1(36.67,12.79)
  Bottom w0.2: v1(36.67,12.79) 36.67,14.95 U13.3
/Project Architecture/MCU - IO/FILTER_SOA: length 2.4
  Top w0.2: C11.1 R1.1 32.81,23.82 U1.17
/Project Architecture/MCU - IO/FILTER_SOB: length 2.3
  Top w0.2: 32.41,22.1 31.49,23.02 R2.1 C12.1
/Project Architecture/MCU - IO/FILTER_SOC: length 2.3
  Top w0.2: U1.25 29.79,21.19 C13.1 R3.1
/Project Architecture/MCU - IO/LED1: length 10
  Top w0.3: U1.37 28.85,13 27.23,13 26.35,12.13 26.35,12.12 26.03,11.79 26.03,10.15 27.27,8.91 D10.1
/Project Architecture/MCU - IO/LED2: length 24.4
  Top w0.3: D11.1 42.24,6.7 37.98,6.7 35.63,9.05 34,9.05 31.73,6.78 30.15,6.78 26.6,10.33 26.6,11.45 27.65,12.5 29.06,12.5 U1.38
/Project Architecture/MCU - IO/MOTOR_ENABLE: length 11.6
  Top w0.2: v1(36.37,25.52) 35.31,26.58 ; 40.79,18.57 41.54,19.32 41.54,20.62 40.61,21.54 40.61,22.48 v1(40.4,22.69)
  In3.Cu w0.2: v1(40.4,22.69) 40.39,22.69 37.52,25.56 36.41,25.56 v1(36.37,25.52)
/Project Architecture/MCU - IO/MOTOR_FAULT: length 30.4
  Top w0.2: R7.2 28.07,13.63 U1.35 29.42,14.98 v1(29.78,15.34) ; v1(34.63,21.9) 34.63,23.6 32.53,25.69 32.53,27.6 U8.26
  In3.Cu w0.2: v1(29.78,15.34) 30.64,16.2 33.07,16.2 33.75,15.53 36.94,15.53 38.42,17 39.28,17 39.98,17.7 39.98,18.3 38.89,19.39 36.19,19.39 34.63,20.95 v1(34.63,21.9)
/Project Architecture/MCU - IO/MOTOR_HIZ: length 16.8
  Top w0.2: v1(37.7,26.5) 37.7,27.02 36.73,28 ; v1(36.48,26.83) 36.02,27.29 ; 40.43,18.92 40.98,19.47 40.98,20.24 39.83,21.39 39.83,24.9 38.98,25.75 v1(38.98,26.36) 38.98,27.1 37.41,28.67 U8.37
  In3.Cu w0.2: v1(36.48,26.83) 36.65,26.66 37.54,26.66 v1(37.7,26.5) 38.84,26.5 v1(38.98,26.36)
/Project Architecture/MCU - IO/PWM_PHASEA: length 6.4
  Top w0.2: U8.32 35.64,26.86 36.4,26.1 36.61,26.1 38.3,24.41 38.3,23.51 37.97,23.18 37.61,23.18 U1.14
/Project Architecture/MCU - IO/PWM_PHASEB: length 7.4
  Top w0.2: U8.34 36.45,27.67 37.13,27 37.13,26.23 38.78,24.58 38.78,23.2 38.35,22.78 37.92,22.78 U1.13
/Project Architecture/MCU - IO/PWM_PHASEC: length 8.5
  Top w0.2: U8.36 38.28,27.15 38.28,25.8 39.33,24.75 39.33,22.95 38.63,22.25 38.1,22.25 U1.12
/Project Architecture/MCU - IO/SENSE_TEMP_FET: length 57.6
  Top w0.2: v1(26.53,14.26) 26.55,14.29 28.02,14.29 U1.34 ; v1(11.53,36) 12.38,36.85 12.38,43.1 11.83,43.65 11.83,45.28 13.4,46.85 C94.1 R22.1 TH1.2
  Bottom w0.2: v1(11.53,36) 8.83,36 7.33,34.5 7.33,34.45 arc(9.06,25.39) 13.68,17.41 13.72,17.37 24.76,17.37 25.48,16.65 25.48,15.31 v1(26.53,14.26) 26.53,13.95 26.28,13.7 25.15,13.7 D12.2
/Project Architecture/MCU - IO/SENSE_TEMP_MOT: length 11.6
  Top w0.2: v1(30.14,11.52) 30.2,11.52 30.33,11.4 30.79,11.4 31.35,11.96
  Bottom w0.2: C95.1 R23.1 22.3,13.42 D13.2 24.01,12.81 25.25,12.81 25.51,13.07 27.79,13.07 29.34,11.52 v1(30.14,11.52) 30.14,11.52 NT14.1
/Project Architecture/MCU - IO/SENSE_VBAT: length 47.8
  Top w0.2: R25.1 C96.1 ; R25.1 R24.2 ; R25.1 12.88,36.18 v1(11.6,34.9) ; R25.1 13.5,36.18 ; v1(32.28,12.29) 32.28,12.18 31.7,11.6